# Altium PCB UCM R1.PcbDoc (part 2 of 2)
Units mm, origin at the board's own origin, x right, y up, seen from the top; angles counter-clockwise.
Board outline 92.33 x 59.27 mm, 4 copper layers (Top Layer, (GND), (PWR), Bottom Layer), stack 1.369 mm thick; 150 components, 87 nets, 457 pads, 182 vias.
Unrouted connection lines stored in the file: 20.
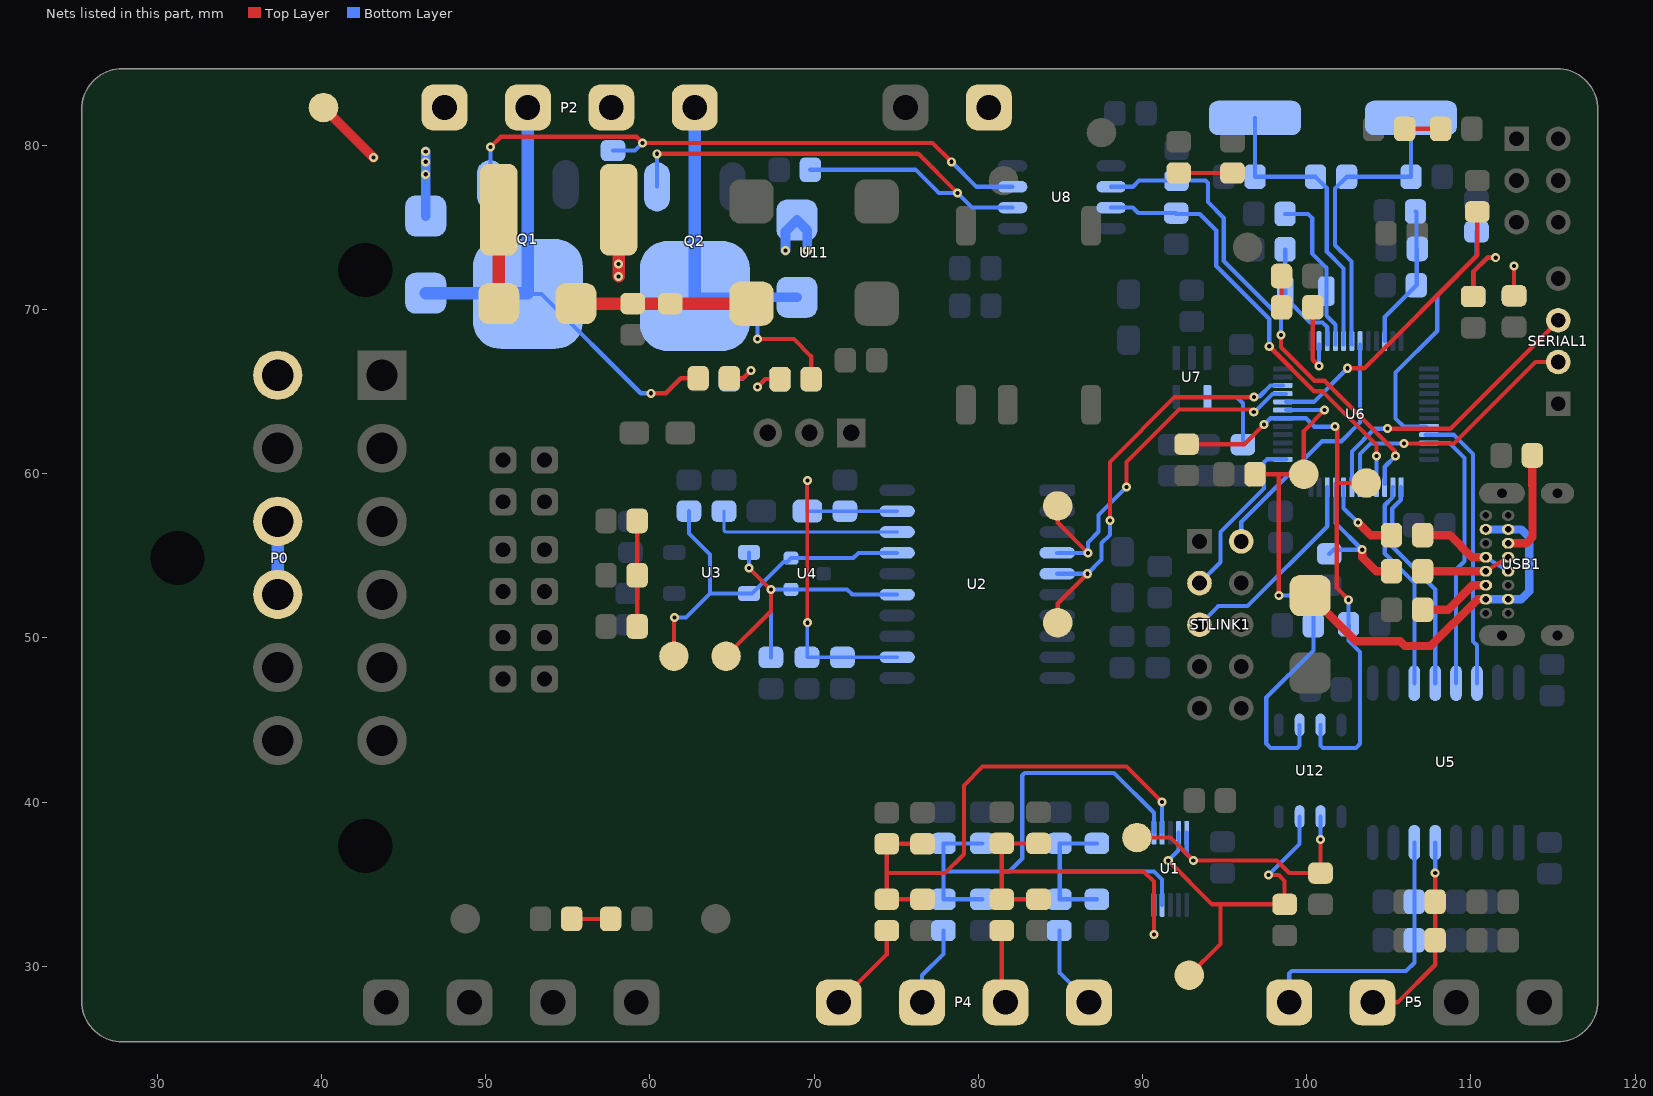
[diagram p4: the nets of this part, all layers, seen from the top]

## Via types
v1: diameter 0.55, hole 0.25, Top Layer to Bottom Layer, tented both sides, 182 vias

## Nets (pads, with @x,y where several pads share a name; then routed paths per layer and width w, separated by ;. In a path a pad name is that pad's centre, name@x,y a point inside that pad or via, vN(x,y) a via of type N, cw(c..) or ccw(c..) an arc to the next point about the centre after c; other vN are vias at no path point) (continued)
"Digital 3": P5.2 R6.1 R7.2 U5.5 | length 12.2
  Top Layer w0.254: P5.2@104.013,27.813 105.537,27.813 107.823,30.099 R6.1@107.823,31.597 R7.2@107.823,33.935 v1(107.823,35.687)
  Bottom Layer w0.254: v1(107.823,35.687) U5.5@107.823,37.542
"Digital 4": P5.1 R8.1 R9.2 U5.6 | length 17
  Bottom Layer w0.254: P5.1@98.933,27.813 98.933,29.569 99.082,29.718 106.045,29.718 106.553,30.226 R8.1@106.553,31.597 R9.2@106.553,33.935 U5.6@106.553,37.542
"Driver 1": D3.A D4.K P2.3 Q1.D | length 30.8
  Top Layer w0.254: v1(60.071,64.897) 60.97,64.897 61.885,65.812 D4.K@62.943,65.812
  Bottom Layer w0.254: Q1.D@52.533,70.992 Q1.D@52.578,70.992 ; Q1.D@52.578,70.947 53.397,70.947 59.447,64.897 v1(60.071,64.897)
  Bottom Layer w0.762: D3.A@46.355,70.992 Q1.D@52.533,70.992 ; Q1.D@52.578,70.992 P2.3@52.578,82.296
"Driver 2": D5.A D6.K P2.1 Q2.D | length 25.4
  Top Layer w0.254: v1(66.548,68.199) 68.776,68.199 69.826,67.149 D6.K@69.826,65.76
  Bottom Layer w0.254: v1(66.548,68.199) 66.548,70.743
  Bottom Layer w0.6: Q2.D@62.738,70.82 62.815,70.743 66.548,70.743 D5.A@68.961,70.743
  Bottom Layer w0.762: Q2.D@62.738,70.82 P2.1@62.738,82.296
GLV+: "Header 1x2.1" +.1 D3.K D5.K F1.1 P0.12 P2.2 P2.4 | length 16.6
  Top Layer w0.6: +.1@40.132,82.296 v1(43.18,79.248)
  Top Layer w0.762: v1(58.104,72.009) F1.1@58.104,76.073
  Bottom Layer w0.6: D3.K@46.355,75.692 v1(46.355,78.232) v1(46.355,78.994) v1(46.355,79.629) ; v1(68.263,73.582) 68.263,74.745 D5.K@68.961,75.443 69.586,74.818 v1(69.586,73.582)
  other v1: 58.104,72.771
GLV-: "Header 1x2.2" -.1 C34.1 C35.1 P0.11 Q1.S Q2.S R25.1 R28.1 U11.4 | length 40.8
  Top Layer w0.254: C35.1@58.954,68.458 v1(58.954,66.828) v1(59.615,66.167) ; v1(60.579,66.167) 60.96,66.548 v1(61.214,66.548) 61.214,68.432 C34.1@61.24,68.458 ; 75.565,82.296 77.089,82.296 -.1@81.534,77.851
  Top Layer w0.762: U11.4@66.189,76.578 66.192,76.581 68.995,76.581 v1(72.04,73.536) v1(73.13,73.536) ; v1@69.176,82.042 v1(69.185,82.033)
  Bottom Layer w0.762: v1(53.955,79.831) v1(54.863,79.831) ; v1(55.753,79.831) v1(54.863,79.831) ; R25.1@57.759,77.778 56.569,77.778 56.388,77.597 Q1.S@54.878,77.597 54.863,77.612 v1(54.863,79.831) ; Q2.S@65.038,77.47 65.038,80.278 66.802,82.042 v1(67.872,82.042) ; R28.1@67.872,78.512 v1(67.872,82.042) ; v1(70.497,82.022) 70.477,82.042 69.194,82.042 v1(69.185,82.033) 69.176,82.042 v1(67.872,82.042)
GLV-: 
"Green In": P0.9 P0.10 | length 4.4
  Bottom Layer w0.762: P0.9@37.342,52.649 P0.10@37.342,57.099
NetC4_2: C4.2 C5.2 C6.2 C7.2 U2.12 U2.19 | length 23.6
  Top Layer w0.203: v1(69.596,50.927) v1(69.596,59.594)
  Bottom Layer w0.203: v1(69.596,50.927) 69.596,48.843 C7.2@69.57,48.817 C6.2@71.729,48.817 71.741,48.829 U2.12@75.057,48.829 ; v1(69.596,59.594) C5.2@69.596,57.719 C4.2@71.882,57.719 U2.19@75.057,57.719
NetC10_2: "CAN TERM R1.1" "CAN TERM R2.2" C10.2 | length 6.4
  Top Layer w0.254: 59.231,50.699 C10.2@59.231,53.822 59.231,57.124
NetC13_2: "CANL TP1.1" C13.2 U2.15 U3.3 U4.1 | length 19.9
  Top Layer w0.254: 64.643,48.895 67.376,51.628 v1(67.376,52.942) ; v1(66.049,54.254) v1@67.348,52.955
  Bottom Layer w0.254: U3.3@66.04,55.205 66.04,54.263 v1(66.049,54.254) ; C13.2@67.376,48.817 v1(67.376,52.942) ; v1@67.378,52.957 68.594,52.957 U4.1@68.596,52.959 72.009,52.959 72.329,52.639 U2.15@75.057,52.639
NetC14_2: "CANH TP1.1" C14.2 U2.17 U3.4 U4.2 | length 23.1
  Top Layer w0.254: 61.468,48.895 61.48,48.907 61.48,51.226 v1(61.491,51.238)
  Bottom Layer w0.254: v1(61.491,51.238) 62.202,51.238 63.669,52.705 ; C14.2@62.383,57.719 62.383,56.362 63.669,55.076 63.669,52.705 ; U2.17@75.057,55.179 72.705,55.179 72.385,54.859 U4.2@68.596,54.859 68.368,54.631 68.138,54.631 66.212,52.705 63.669,52.705
"NetC17_U_Input Filter1_2": "C17_U_Input Filter1.2" "R10_U_Input Filter1.1" "R11_U_Input Filter1.2" "R12_U_Input Filter1.2" U1.7 | length 32.4
  Top Layer w0.254: 76.607,34.085 74.422,34.085 74.422,35.687 ; 76.607,37.465 74.422,37.465 74.422,35.687 ; v1(91.186,40.005) 89.027,42.164 80.264,42.164 79.121,41.021 79.121,36.83 77.978,35.687 74.422,35.687
  Bottom Layer w0.254: v1(91.186,40.005) 91.186,38.149 U1.7@91.194,38.141
"NetC17_U_Input Filter2_2": "C17_U_Input Filter2.2" "R10_U_Input Filter2.1" "R11_U_Input Filter2.2" "R12_U_Input Filter2.2" U1.6 | length 28.6
  Bottom Layer w0.254: 80.238,34.085 77.877,34.085 77.877,35.787 ; 80.238,37.489 77.877,37.489 77.877,35.787 ; U1.6@90.694,38.141 90.694,39.354 88.265,41.783 82.826,41.783 82.677,41.634 82.677,36.576 81.888,35.787 77.877,35.787
"NetC17_U_Input Filter3_2": "C17_U_Input Filter3.2" "R10_U_Input Filter3.1" "R11_U_Input Filter3.2" "R12_U_Input Filter3.2" U1.5 | length 22.4
  Top Layer w0.254: 83.667,34.085 81.433,34.085 81.433,35.787 ; 83.667,37.489 81.433,37.489 81.433,35.787 ; v1(90.694,31.934) 90.694,35.163 90.07,35.787 81.433,35.787
  Bottom Layer w0.254: v1(90.694,31.934) U1.5@90.694,33.741
"NetC17_U_Input Filter4_2": "C17_U_Input Filter4.2" "R10_U_Input Filter4.1" "R11_U_Input Filter4.2" "R12_U_Input Filter4.2" U1.4 | length 16
  Bottom Layer w0.254: 87.223,34.085 84.937,34.085 84.963,34.111 84.963,35.787 ; 87.223,37.489 84.937,37.489 84.963,37.463 84.963,35.787 ; U1.4@91.194,33.741 91.194,35.298 90.705,35.787 84.963,35.787
NetC28_2: C28.2 U7.4 | length 4.8
  Bottom Layer w0.254: U7.4@93.954,64.678 95.723,64.678 96.113,64.288 C28.2@96.113,61.771
NetC34_2: C34.2 C35.2 D7.K U11.1 | length 10.7
  Top Layer w0.762: D7.K@55.504,70.358 C35.2@58.954,70.358 C34.2@61.24,70.358 U11.1@66.189,70.358
"NetCAN RX INDC1_K": "CAN RX INDC1.K" R17.2 | length 3.6
  Top Layer w0.254: 112.623,70.836 v1(112.623,72.644)
  Bottom Layer w0.254: R17.2@112.623,70.836 v1(112.623,72.644)
"NetCAN TX INDC1_K": "CAN TX INDC1.K" R16.2 | length 6.5
  Top Layer w0.254: 110.135,70.788 110.135,72.289 110.998,73.152 v1(111.506,73.152)
  Bottom Layer w0.254: R16.2@110.135,70.788 110.135,72.289 110.998,73.152 v1(111.506,73.152)
NetD1_K: D1.K R14.2 | length 2.2
  Top Layer w0.254: R14.2@105.967,81 D1.K@108.155,81
NetD2_K: D2.K R15.2 | length 1.9
  Top Layer w0.254: R15.2@98.468,70.13 D2.K@98.468,72.035
NetD4_A: D4.A R23.1 | length 3.1
  Top Layer w0.254: D4.A@64.843,65.812 65.685,65.812 v1(66.167,66.294)
  Bottom Layer w0.254: R23.1@64.843,65.76 65.633,65.76 v1(66.167,66.294)
NetD6_A: D6.A R26.1 | length 3.2
  Top Layer w0.254: v1(66.548,65.278) 67.03,65.76 D6.A@67.926,65.76
  Bottom Layer w0.254: v1(66.548,65.278) 66.556,65.278 67.038,65.76 R26.1@67.926,65.76
NetD7_A: D7.A F1.2 | length 5.7
  Top Layer w0.762: D7.A@50.804,70.358 F1.2@50.804,76.073
NetD8_K: D8.K R29.2 | length 2.4
  Top Layer w0.254: R29.2@55.245,32.893 D8.K@57.614,32.893
NetD9_K: D9.K R30.2 | length 3.3
  Top Layer w0.254: D9.K@92.202,78.31 R30.2@95.478,78.31
NetD10_A: D10.A USB1.A4 USB1.A9 USB1.B4 USB1.B9 | length 22.1
  Top Layer w0.508: D10.A@100.203,52.574 102.972,49.805 105.679,49.805 105.975,49.509 107.548,49.509 110.393,52.354 110.906,52.354 USB1.A4@110.91,52.358
  Bottom Layer w0.508: USB1.A4@110.91,52.358 USB1.B9@112.26,52.358 113.064,52.358 113.538,52.832 113.538,56.134 113.064,56.608 USB1.B4@112.26,56.608 USB1.A9@110.91,56.608
NetQ1_G: Q1.G R25.2 U8.7 | length 37.6
  Top Layer w0.254: v1(50.292,79.883) 50.927,80.518 59.182,80.518 v1(59.563,80.137) 77.216,80.137 v1(78.359,78.994)
  Bottom Layer w0.254: Q1.G@50.292,77.611 50.345,77.664 50.292,77.717 v1(50.292,79.883) ; R25.2@57.759,79.678 59.104,79.678 v1(59.563,80.137) ; v1(78.359,78.994) 79.883,77.47 U8.7@82.09,77.47
NetQ2_G: Q2.G R28.2 U8.6 | length 34.5
  Top Layer w0.254: v1(60.446,79.481) 76.348,79.481 v1(78.74,77.089)
  Bottom Layer w0.254: Q2.G@60.442,77.494 60.442,79.477 v1(60.446,79.481) ; R28.2@69.772,78.512 76.174,78.512 77.597,77.089 v1(78.74,77.089) 79.629,76.2 U8.6@82.09,76.2
NetR1_2: R1.2 U2.18 | length 11.7
  Bottom Layer w0.203: R1.2@64.516,57.719 64.516,56.568 64.635,56.449 U2.18@75.057,56.449
NetR18_1: R18.1 U6.20 | length 15.4
  Bottom Layer w0.254: U6.20@107.247,62.877 105.906,62.877 105.41,63.373 105.41,66.167 107.95,68.707 107.95,70.866 110.337,73.253 R18.1@110.337,74.73
NetR19_1: "SCL ISO.1" R19.1 R33.1 U6.42 U12.3 | length 35.5
  Top Layer w0.254: R33.1@92.684,61.795 96.212,61.795 v1(97.409,62.992) ; v1(101.727,62.865) 101.854,62.738 101.854,59.436 ; v1(102.543,52.324) 101.83,53.037 101.83,59.412 101.854,59.436 ; 103.632,59.436 101.854,59.436
  Bottom Layer w0.254: v1(97.409,62.992) 97.794,63.377 98.747,63.377 99.945,63.377 100.457,62.865 v1(101.727,62.865) ; U12.3@100.838,44.704 100.838,43.456 100.987,43.307 102.997,43.307 103.247,43.557 103.247,49.153 102.556,49.844 102.556,50.813 R19.1@102.543,50.826 v1(102.543,52.324)
NetR20_1: "SDA ISO.1" R20.1 R34.1 U6.43 U12.2 | length 32.6
  Top Layer w0.254: R34.1@96.847,59.97 98.298,59.97 ; v1(98.298,52.578) 98.298,59.97 ; v1(101.085,63.874) 99.822,62.611 99.822,59.97 98.298,59.97
  Bottom Layer w0.254: v1(98.298,52.578) 99.988,52.578 100.403,52.163 R20.1@100.403,50.774 100.403,49.234 97.536,46.367 97.536,43.561 97.79,43.307 99.419,43.307 99.568,43.456 U12.2@99.568,44.704 ; U6.43@98.747,63.877 98.749,63.875 101.083,63.875 v1(101.085,63.874)
NetR21_2: R21.2 U6.44 | length 18
  Top Layer w0.254: v1(102.489,66.421) 103.505,66.421 110.384,73.3 R21.2@110.384,75.951
  Bottom Layer w0.254: U6.44@98.747,64.377 100.445,64.377 v1(102.489,66.421)
NetR24_2: R24.2 U6.27 U8.2 | length 29.8
  Top Layer w0.254: v1(98.425,68.453) 98.425,67.698 100.464,65.659 101.092,65.659 105.353,61.398 105.353,61.144 v1(105.41,61.087)
  Bottom Layer w0.254: U8.2@88.09,77.47 89.408,77.47 89.789,77.851 R24.2@92.075,77.851 93.831,77.851 93.98,77.702 93.98,76.547 94.947,75.58 94.947,72.947 98.425,69.469 v1(98.425,68.453) ; U6.27@104.747,59.377 104.747,60.424 v1(105.41,61.087)
NetR27_2: R27.2 U6.28 U8.3 | length 26.7
  Top Layer w0.254: v1(97.717,67.76) 100.458,65.018 100.971,65.018 104.247,61.742 v1(104.247,61.087)
  Bottom Layer w0.254: U8.3@88.09,76.2 89.408,76.2 89.74,75.868 R27.2@92.049,75.868 ; R27.2@92.049,75.819 93.487,75.819 94.49,74.816 94.49,72.642 97.717,69.415 v1(97.717,67.76) ; U6.28@104.247,59.377 v1(104.247,61.087)
NetR31_1: R31.1 SCL.1 U1.10 U12.6 | length 17.4
  Top Layer w0.254: SCL.1@89.662,37.846 91.694,37.846 v1(93.091,36.449) 98.171,36.449 98.933,35.687 R31.1@100.838,35.687 ; R31.1@100.838,35.682 R31.1@100.838,35.687 ; v1(100.838,37.719) R31.1@100.838,35.687
  Bottom Layer w0.254: U1.10@92.694,38.141 92.694,36.846 v1(93.091,36.449) ; v1(100.838,37.719) U12.6@100.838,39.116
NetR32_1: R32.1 SDA.1 U1.9 U12.7 | length 22.2
  Top Layer w0.254: v1(91.567,36.449) 94.234,33.782 94.361,33.782 94.742,33.782 ; SDA.1@92.837,29.464 94.742,31.369 94.742,33.782 ; v1(97.663,35.56) 98.298,35.56 98.653,35.205 R32.1@98.653,33.782 94.742,33.782
  Bottom Layer w0.254: v1(91.567,36.449) 92.194,37.076 U1.9@92.194,38.141 ; v1(97.663,35.56) 99.568,37.465 U12.7@99.568,39.116
NetR36_1: R36.1 USB1.A6 USB1.B6 | length 5.4
  Top Layer w0.254: USB1.A6@110.91,54.058 USB1.B6@112.26,54.908
  Top Layer w0.508: R36.1@107.061,54.058 USB1.A6@110.91,54.058
NetR37_1: R37.1 USB1.A7 USB1.B7 | length 6
  Top Layer w0.508: R37.1@107.061,56.261 108.712,56.261 110.065,54.908 USB1.A7@110.91,54.908
  Bottom Layer w0.254: USB1.A7@110.91,54.908 USB1.B7@112.26,54.058
NetR38_1: R38.1 USB1.A5 | length 4.5
  Top Layer w0.508: R38.1@107.061,51.715 108.611,51.715 110.104,53.208 USB1.A5@110.91,53.208
NetR39_1: R39.1 USB1.B5 | length 6.6
  Top Layer w0.508: USB1.B5@112.26,55.758 113.367,55.758 113.744,56.135 113.744,59.265 113.738,59.271 R39.1@113.738,61.113
NetRX_1: RX.1 U2.4 U6.45 | length 23.5
  Top Layer w0.254: RX.1@84.836,58.039 84.836,57.018 v1(86.675,55.179) ; v1(89.027,59.182) 89.027,60.706 92.223,63.902 96.626,63.902 v1(96.774,63.754)
  Bottom Layer w0.254: U2.4@84.811,55.179 v1(86.675,55.179) 86.675,55.814 87.325,56.464 87.325,57.484 89.024,59.182 v1(89.027,59.182) ; v1(96.774,63.754) 96.823,63.754 97.923,64.854 U6.45@98.724,64.854
NetTX_1: TX.1 U2.5 U6.46 | length 25.4
  Top Layer w0.254: TX.1@84.836,50.927 84.836,52.098 v1(86.647,53.909) ; v1(88.011,57.15) 88.011,60.721 91.95,64.66 v1(96.787,64.66)
  Bottom Layer w0.254: U2.5@84.811,53.909 v1(86.647,53.909) 87.503,54.765 87.503,55.771 88.011,56.279 v1(88.011,57.15) ; v1(96.787,64.66) 96.844,64.716 97.139,64.716 97.799,65.377 U6.46@98.547,65.377
NetU5_11: U5.11 U6.26 | length 12.9
  Bottom Layer w0.254: U6.26@105.247,59.177 105.224,59.154 105.224,58.553 104.749,58.078 104.749,55.144 106.553,53.34 U5.11@106.553,47.244
NetU5_12: U5.12 U6.25 | length 13.2
  Bottom Layer w0.254: U6.25@105.747,59.177 105.724,59.154 105.724,58.406 105.206,57.888 105.206,55.576 107.823,52.959 U5.12@107.823,47.244
NetU5_13: U5.13 U6.22 | length 16.7
  Bottom Layer w0.254: U6.22@107.247,61.877 108.684,61.877 109.601,60.96 109.601,54.668 109.093,54.16 U5.13@109.093,47.244
NetU5_14: U5.14 U6.21 | length 17.4
  Bottom Layer w0.254: U6.21@107.247,62.377 108.946,62.377 110.133,61.19 110.133,49.783 110.363,49.553 U5.14@110.363,47.244
NRST: STLINK1.2 U6.7 | length 15.7
  Bottom Layer w0.254: STLINK1.2@96.012,55.88 96.012,57.063 100.925,61.976 102.108,61.976 103.247,63.115 U6.7@103.247,67.877
PC13: R15.1 U6.2 | length 5
  Top Layer w0.254: R15.1@100.368,70.13 100.368,66.939 v1(100.747,66.56)
  Bottom Layer w0.254: v1(100.747,66.56) U6.2@100.747,67.877
"PCB TEMP": "PCB NTC1.2" C18.2 R13.1 U6.10 | length 8.7
  Bottom Layer w0.254: U6.10@104.747,68.077 104.747,69.551 R13.1@106.671,71.475 106.7,71.504 106.7,73.657 106.676,73.681 106.676,75.919 C18.2@106.623,75.972
"Sensor 1": "R11_U_Input Filter4.1" P4.4 | length 5.1
  Bottom Layer w0.254: 84.937,32.185 84.937,29.617 P4.4@86.741,27.813
"Sensor 2": "R11_U_Input Filter3.1" P4.3 | length 4.5
  Top Layer w0.254: 81.433,32.185 81.433,28.041 P4.3@81.661,27.813
"Sensor 3": "R11_U_Input Filter2.1" P4.2 | length 4.9
  Bottom Layer w0.254: P4.2@76.581,27.813 76.581,29.464 77.877,30.76 77.877,32.185
"Sensor 4": "R11_U_Input Filter1.1" P4.1 | length 5.6
  Top Layer w0.254: P4.1@71.501,27.813 74.422,30.734 74.422,32.185
SWCLK: STLINK1.3 U6.37 | length 10.4
  Bottom Layer w0.254: STLINK1.3@93.472,53.34 94.742,54.61 94.742,56.44 97.396,59.094 97.396,60.693 97.58,60.877 U6.37@98.747,60.877
SWDIO: STLINK1.5 U6.34 | length 12.6
  Bottom Layer w0.254: STLINK1.5@93.472,50.8 94.615,51.943 96.393,51.943 101.247,56.797 U6.34@101.247,59.177
"UART RX": SERIAL1.3 U6.31 | length 17.9
  Top Layer w0.254: v1(104.921,62.757) 104.941,62.738 108.762,62.738 115.316,69.292 SERIAL1.3@115.316,69.342
  Bottom Layer w0.254: U6.31@102.747,59.377 102.747,61.357 104.128,62.738 104.902,62.738 v1(104.921,62.757)
"UART TX": SERIAL1.2 U6.30 | length 16.2
  Top Layer w0.254: v1(105.918,61.849) 108.966,61.849 113.919,66.802 SERIAL1.2@115.316,66.802
  Bottom Layer w0.254: U6.30@103.247,59.377 103.247,61.21 103.886,61.849 v1(105.918,61.849)
USBDM: R37.2 U6.32 | length 5.1
  Top Layer w0.508: v1(103.124,57.023) 103.886,56.261 R37.2@105.161,56.261
  Bottom Layer w0.254: U6.32@102.247,59.377 102.247,57.9 v1(103.124,57.023)
USBDP: R35.1 R36.2 U6.33 | length 9.4
  Top Layer w0.508: v1(103.378,55.372) 103.378,54.92 104.24,54.058 R36.2@105.161,54.058
  Bottom Layer w0.254: R35.1@101.372,55.118 101.626,55.372 v1(103.378,55.372) 101.747,57.003 U6.33@101.747,59.377
XTALA: C29.2 R22.2 U6.5 X1.1 | length 18.2
  Bottom Layer w0.254: X1.1@96.85,81.661 C29.2@96.85,78.079 R22.2@100.535,78.079 101.219,77.395 101.219,73.533 102.247,72.505 U6.5@102.247,67.877
XTALB: C30.2 R22.1 U6.6 X1.2 | length 18.4
  Bottom Layer w0.254: U6.6@102.747,67.877 102.722,67.902 102.722,72.919 101.727,73.914 101.727,77.371 R22.1@102.435,78.079 C30.2@106.35,78.079 X1.2@106.35,81.661
XTALC: C19.2 U6.3 X2.1 | length 7.3
  Bottom Layer w0.254: C19.2@98.679,73.66 98.689,73.65 98.689,71.13 98.689,70.729 100.203,69.215 100.953,69.215 101.247,68.921 U6.3@101.247,67.877
XTALD: C20.2 U6.4 X2.2 | length 10
  Bottom Layer w0.254: C20.2@98.679,75.819 100.076,75.819 100.33,75.565 100.33,73.406 101.199,72.537 X2.2@101.199,71.12 101.199,69.616 101.747,69.068 U6.4@101.747,67.877
pads on no net: P0.0 P0.8 R23.2 R26.2 STLINK1.4 STLINK1.6 STLINK1.9 STLINK1.10 U1.2 U2.2 U2.14 U5.7 U6.11 U6.12 U6.13 U6.14 U6.15 U6.16 U6.17 U6.29 U6.38 U6.39 U6.40 U6.41 U10.8 USB1.A8 USB1.B8 USB1.P2 USB1.P3 USB1.P4
copper on no net: | length 308.3
  Top Layer w0.254: 25.4,27.9 ccw(c27.9,27.9) 27.9,25.4 115.229,25.4 ccw(c115.229,27.9) 117.729,27.9 117.729,82.169 ccw(c115.229,82.169) 115.229,84.669 27.9,84.669 ccw(c27.9,82.169) 25.4,82.169 25.4,27.9
  Bottom Layer w0.254: 62.943,65.76 v1(62.943,64.438) 69.631,64.438 69.826,64.633 69.826,65.76

## Polygon pours and split planes (outlines as drawn)
0V on Top Layer "0V_L01_P010" (solid, remove dead copper, pour order 10): 25.4,58.928 40.132,58.928 41.531,60.327 41.531,67.532 41.91,68.072 45.593,68.072 47.627,66.038 55.986,66.038 58.778,63.246 75.184,63.246 76.456,64.518 76.456,78.454 77.629,79.627 83.818,79.627 83.818,63.375 78.613,58.166 78.613,45.212 80.645,43.18 89.492,43.18 92.249,40.423 ccw(c92.322,40.496) 92.322,40.393 117.722,40.393 117.729,27.9 cw(c115.373,27.9) 117.039,26.234 116.895,26.09 cw(c115.229,27.756) 115.229,25.4 26.67,25.4 25.4,26.67
GLV- on Top Layer "GLV-_L01_P007" (solid, remove dead copper, pour order 7): 25.4,59.69 39.878,59.69 40.767,60.579 40.767,67.818 41.656,68.707 46.027,68.707 47.932,66.802 56.261,66.802 59.055,64.008 74.93,64.008 75.692,64.77 75.692,78.74 77.343,80.391 83.82,80.391 83.82,84.836 25.273,84.836 25.019,84.582 25.4,84.201
"0V (ISO)" on Top Layer "0V_(ISO)_L01_P003" (solid, remove dead copper, pour order 3): 85.852,84.709 116.332,84.709 117.729,83.312 117.729,42.418 93.091,42.418 90.424,45.085 81.661,45.085 80.518,46.228 80.518,57.15 85.852,62.484
0V on Bottom Layer "0V_L04_P009" (solid, remove dead copper, pour order 9): 25.4,58.928 40.132,58.928 41.531,60.327 41.531,67.532 41.943,67.945 45.72,67.945 47.627,66.038 55.986,66.038 58.778,63.246 75.184,63.246 76.454,64.516 76.454,78.486 76.487,78.486 77.629,79.627 83.818,79.627 83.818,63.375 78.613,58.166 78.613,45.212 80.645,43.18 89.535,43.18 92.322,40.393 117.722,40.393 117.73,26.671 116.459,25.4 26.67,25.4 25.4,26.67
GLV- on Bottom Layer "GLV-_L04_P008" (solid, remove dead copper, pour order 8): 25.4,59.69 25.527,59.817 25.527,83.005 25.744,83.529 26.49,84.275 27.231,84.582 83.82,84.582 83.82,80.391 77.216,80.391 75.692,78.867 75.692,64.77 74.93,64.008 59.055,64.008 56.261,66.802 47.932,66.802 46.027,68.707 41.623,68.707 40.767,67.851 40.767,60.579 39.878,59.69
"0V (ISO)" on Bottom Layer "0V_(ISO)_L04_P005" (solid, remove dead copper, pour order 5): 85.76,84.772 85.76,62.472 80.553,57.265 80.553,46.32 81.661,45.212 90.297,45.212 93.091,42.418 117.637,42.418 117.637,82.955 117.319,83.722 116.662,84.379 115.712,84.772
"5V (ISO)" on Bottom Layer "5V_(ISO)_L04_P004" (solid, remove dead copper, pour order 4): 92.329,66.795 91.162,66.826 90.551,67.454 90.551,70.993 92.242,72.684 93.305,72.684 94.869,71.12 94.869,67.183 94.481,66.795 93.726,66.795 93.726,68.072 94.107,68.453 94.107,69.977 93.853,70.231 92.075,70.231 91.821,69.977 91.821,68.707 92.329,68.199
"3.3V (ISO)" on Bottom Layer "3.3V_(ISO)_L04_P002" (solid, remove dead copper, pour order 2): 90.424,65.659 92.329,65.659 92.329,64.643 93.345,63.627 94.234,63.627 94.234,62.103 90.424,62.103
GLV- on (GND) (split plane): 27.9,84.159 83.818,84.159 83.818,80.393 77.47,80.393 77.395,80.385 77.323,80.364 77.257,80.328 77.199,80.281 75.802,78.884 75.755,78.826 75.719,78.76 75.698,78.688 75.69,78.613 75.69,64.802 74.898,64.01 59.087,64.01 57.421,65.676 56.405,66.692 56.347,66.739 56.281,66.775 56.209,66.796 56.134,66.804 47.911,66.804 46.118,68.597 46.06,68.644 45.994,68.68 45.922,68.701 45.847,68.709 41.783,68.709 41.708,68.701 41.636,68.68 41.57,68.644 41.512,68.597 40.877,67.962 40.83,67.904 40.794,67.838 40.773,67.766 40.765,67.691 40.765,60.611 39.846,59.692 25.91,59.692 25.91,82.169 25.909,82.185 25.918,82.364 25.946,82.558 25.994,82.747 26.06,82.931 26.143,83.108 26.244,83.276 26.36,83.433 26.492,83.577 26.636,83.709 26.793,83.825 26.961,83.926 27.138,84.009 27.322,84.075 27.511,84.123 27.705,84.151 27.884,84.16
0V on (GND) (split plane): 83.818,63.287 82.465,61.934 78.909,58.378 78.821,58.278 78.747,58.167 78.688,58.048 78.646,57.922 78.62,57.791 78.611,57.658 78.611,45.72 78.62,45.587 78.646,45.456 78.688,45.33 78.747,45.211 78.821,45.1 78.909,45 80.433,43.476 80.533,43.388 80.644,43.314 80.763,43.255 80.889,43.213 81.02,43.187 81.153,43.178 89.494,43.178 90.53,42.143 91.863,40.809 91.963,40.721 92.074,40.647 92.193,40.588 92.319,40.546 92.45,40.52 92.583,40.511 117.219,40.511 117.219,27.9 117.22,27.884 117.211,27.705 117.183,27.511 117.135,27.322 117.069,27.138 116.986,26.961 116.885,26.793 116.769,26.636 116.637,26.492 116.493,26.36 116.336,26.244 116.168,26.143 115.991,26.06 115.807,25.994 115.618,25.946 115.424,25.918 115.245,25.909 115.229,25.91 27.9,25.91 27.884,25.909 27.705,25.918 27.511,25.946 27.322,25.994 27.138,26.06 26.961,26.143 26.793,26.244 26.636,26.36 26.492,26.492 26.36,26.636 26.244,26.793 26.143,26.961 26.06,27.138 25.994,27.322 25.946,27.511 25.918,27.705 25.909,27.884 25.91,27.9 25.91,58.926 40.005,58.926 40.08,58.934 40.152,58.955 40.218,58.991 40.276,59.038 41.419,60.181 41.466,60.239 41.502,60.305 41.523,60.377 41.531,60.452 41.531,67.532 41.942,67.943 45.688,67.943 47.481,66.15 47.539,66.103 47.605,66.067 47.677,66.046 47.752,66.038 55.975,66.038 56.879,65.134 58.657,63.356 58.715,63.309 58.781,63.273 58.853,63.252 58.928,63.244 75.057,63.244 75.132,63.252 75.204,63.273 75.27,63.309 75.328,63.356 76.344,64.372 76.391,64.43 76.427,64.496 76.448,64.568 76.456,64.643 76.456,78.454 77.629,79.627 83.818,79.627
"0V (ISO)" on (GND) (split plane): 115.424,84.151 115.618,84.123 115.807,84.075 115.991,84.009 116.168,83.926 116.336,83.825 116.493,83.709 116.637,83.577 116.769,83.433 116.885,83.276 116.986,83.108 117.069,82.931 117.135,82.747 117.183,82.558 117.211,82.364 117.22,82.185 117.219,82.169 117.219,42.547 93.005,42.547 91.969,43.582 90.636,44.916 90.536,45.004 90.425,45.078 90.306,45.137 90.18,45.179 90.049,45.205 89.916,45.214 81.575,45.214 80.647,46.142 80.647,57.236 83.905,60.494 85.556,62.145 85.644,62.245 85.718,62.356 85.777,62.475 85.819,62.601 85.845,62.732 85.854,62.865 85.854,84.159 115.229,84.159 115.245,84.16
5V on (PWR) (split plane): 83.818,63.287 82.08,61.549 78.909,58.378 78.821,58.278 78.747,58.167 78.688,58.048 78.646,57.922 78.62,57.791 78.611,57.658 78.611,45.72 78.62,45.587 78.646,45.456 78.688,45.33 78.747,45.211 78.821,45.1 78.909,45 80.56,43.349 80.66,43.261 80.771,43.187 80.89,43.128 81.016,43.086 81.147,43.06 81.28,43.051 89.494,43.051 91.863,40.682 91.963,40.594 92.074,40.52 92.193,40.461 92.319,40.419 92.45,40.393 92.583,40.384 117.219,40.384 117.219,27.9 117.22,27.884 117.211,27.705 117.183,27.511 117.135,27.322 117.069,27.138 116.986,26.961 116.885,26.793 116.769,26.636 116.637,26.492 116.493,26.36 116.336,26.244 116.168,26.143 115.991,26.06 115.807,25.994 115.618,25.946 115.424,25.918 115.245,25.909 115.229,25.91 27.9,25.91 27.884,25.909 27.705,25.918 27.511,25.946 27.322,25.994 27.138,26.06 26.961,26.143 26.793,26.244 26.636,26.36 26.492,26.492 26.36,26.636 26.244,26.793 26.143,26.961 26.06,27.138 25.994,27.322 25.946,27.511 25.918,27.705 25.909,27.884 25.91,27.9 25.91,58.926 40.005,58.926 40.08,58.934 40.152,58.955 40.218,58.991 40.276,59.038 41.419,60.181 41.466,60.239 41.502,60.305 41.523,60.377 41.531,60.452 41.531,67.532 41.942,67.943 45.688,67.943 47.481,66.15 47.539,66.103 47.605,66.067 47.677,66.046 47.752,66.038 55.975,66.038 56.879,65.134 58.657,63.356 58.715,63.309 58.781,63.273 58.853,63.252 58.928,63.244 75.057,63.244 75.132,63.252 75.204,63.273 75.27,63.309 75.328,63.356 76.344,64.372 76.391,64.43 76.427,64.496 76.448,64.568 76.456,64.643 76.456,78.454 77.629,79.627 83.818,79.627
GLV+ on (PWR) (split plane): 27.9,84.159 83.818,84.159 83.818,80.393 77.47,80.393 77.395,80.385 77.323,80.364 77.257,80.328 77.199,80.281 75.802,78.884 75.755,78.826 75.719,78.76 75.698,78.688 75.69,78.613 75.69,64.802 74.898,64.01 59.087,64.01 57.421,65.676 56.405,66.692 56.347,66.739 56.281,66.775 56.209,66.796 56.134,66.804 47.911,66.804 46.118,68.597 46.06,68.644 45.994,68.68 45.922,68.701 45.847,68.709 41.783,68.709 41.708,68.701 41.636,68.68 41.57,68.644 41.512,68.597 40.877,67.962 40.83,67.904 40.794,67.838 40.773,67.766 40.765,67.691 40.765,60.611 39.846,59.692 25.91,59.692 25.91,82.169 25.909,82.185 25.918,82.364 25.946,82.558 25.994,82.747 26.06,82.931 26.143,83.108 26.244,83.276 26.36,83.433 26.492,83.577 26.636,83.709 26.793,83.825 26.961,83.926 27.138,84.009 27.322,84.075 27.511,84.123 27.705,84.151 27.884,84.16
"5V (ISO)" on (PWR) (split plane): 107.694,71.503 94.869,71.503 94.803,71.494 94.741,71.469 94.688,71.428 94.647,71.375 94.622,71.313 94.613,71.247 94.613,66.169 90.043,66.169 89.977,66.16 89.915,66.135 89.862,66.094 89.821,66.041 89.796,65.979 89.787,65.913 89.787,46.863 89.796,46.797 89.821,46.735 89.862,46.682 89.915,46.641 89.977,46.616 90.043,46.607 102.489,46.607 102.555,46.616 102.617,46.641 102.67,46.682 102.711,46.735 102.736,46.797 102.745,46.863 102.745,56.64 109.474,56.64 109.54,56.649 109.602,56.674 109.655,56.715 109.696,56.768 109.721,56.83 109.73,56.896 109.73,59.434 117.219,59.434 117.219,42.42 93.005,42.42 90.636,44.789 90.536,44.877 90.425,44.951 90.306,45.01 90.18,45.052 90.049,45.078 89.916,45.087 81.702,45.087 80.647,46.142 80.647,57.236 83.52,60.109 85.556,62.145 85.644,62.245 85.718,62.356 85.777,62.475 85.819,62.601 85.845,62.732 85.854,62.865 85.854,84.159 107.694,84.159
"3.3V (ISO)" on (PWR) (split plane): 115.424,84.151 115.618,84.123 115.807,84.075 115.991,84.009 116.168,83.926 116.336,83.825 116.493,83.709 116.637,83.577 116.769,83.433 116.885,83.276 116.986,83.108 117.069,82.931 117.135,82.747 117.183,82.558 117.211,82.364 117.22,82.185 117.219,82.169 117.219,59.946 109.474,59.946 109.408,59.937 109.346,59.912 109.293,59.871 109.252,59.818 109.227,59.756 109.218,59.69 109.218,57.152 102.489,57.152 102.423,57.143 102.361,57.118 102.308,57.077 102.267,57.024 102.242,56.962 102.233,56.896 102.233,47.119 90.299,47.119 90.299,65.657 94.869,65.657 94.935,65.666 94.997,65.691 95.05,65.732 95.091,65.785 95.116,65.847 95.125,65.913 95.125,70.991 107.95,70.991 108.016,71 108.078,71.025 108.131,71.066 108.172,71.119 108.197,71.181 108.206,71.247 108.206,84.159 115.229,84.159 115.245,84.16

## Other copper
Top Layer:
  drawing of 42 lines, arcs and shapes, not listed
  text "Team Swinburne" at 50.165,40.64 h3.05
  text "Team Swinburne" at 50.17,40.612 h3.05
  text "Formula SAE" at 61.341,39.243 h1.78
  text "Formula SAE" at 61.346,39.215 h1.78
Bottom Layer:
  drawing of 47 lines, arcs and shapes, not listed
(GND) (plane layer: these items are gaps in the copper):
  rectangle: 71.009,39.143 72.279,42.572
  rectangle: 71.009,39.143 72.279,42.572
  rectangle: 50.6,34.812 60.95,40.112
  lines w0.762: 25.146,59.309 40.005,59.309 41.148,60.452 41.148,67.691 41.783,68.326 45.847,68.326 47.752,66.421 50.419,66.421 56.134,66.421 57.15,65.405 58.928,63.627 75.057,63.627 76.073,64.643 76.073,78.613 77.47,80.01 84.963,80.01
  lines w2.032: 84.836,84.709 84.836,62.865 83.185,61.214 79.629,57.658 79.629,45.72 81.153,44.196 89.916,44.196 91.249,42.862 92.583,41.529 118.745,41.529
  text "Team Swinburne" at 50.165,40.64 h3.05
  text "Team Swinburne" at 50.165,40.64 h3.05
  text "Formula SAE" at 61.341,39.243 h1.78
  text "Formula SAE" at 61.341,39.243 h1.78
(PWR) (plane layer: these items are gaps in the copper):
  drawing of 73 lines, arcs and shapes, not listed

## Silkscreen, mask and mechanical layers (free items; w line width, h text height)
Top Overlay:
  drawing of 20 lines, arcs and shapes, not listed
  text "3.3V" at 107.95,82.804 h0.76
  text "5V ISO" at 90.424,81.661 h0.76
  text "+ -" at 80.137,80.645 h1.52 r180
  text "+     D1     +     D2" at 47.39,79.248 h0.76
  text "PC13" at 98.044,68.072 h0.76
  text "D2" at 68.453,67.31 h0.76
  text "D1" at 63.627,67.183 h0.76
  text "RX" at 112.014,66.929 h0.76
  text "TX" at 109.474,66.802 h0.76
  text "CAN L" at 56.388,58.42 h0.76
  text "CAN S" at 56.388,55.118 h0.76
  text "CAN H" at 56.388,51.816 h0.76
  text "Terminations" at 60.96,51.054 h0.51 r90
  text "CAN H" at 62.611,50.673 h0.76
  text "CAN L" at 59.436,46.482 h0.76
  text "Team Swinburne" at 50.22,40.621 h3.05
  text "Formula SAE" at 61.396,39.224 h1.78
  text "Universal Control Module R1" at 61.341,38.327 h1.02
  text "--->" at 78.486,38.1 h1.52 r270
  text "--->" at 84.836,38.1 h1.52 r270
  text "--->" at 102.108,37.719 h1.52 r270
  text "--->" at 113.284,37.592 h1.52 r270
  text "30/03/2020 - P.M.C & B.J.M" at 61.341,37.338 h1.02
  text "Digital Inputs" at 103.505,36.195 h0.76
  text "Sensors" at 79.883,35.56 h0.76
Drill Drawing:
  circle w0.254: c7.444,139.277 r0.508
  circle w0.254: c7.444,139.277 r0.847
  circle w0.254: c7.444,112.607 r0.847
  lines w0.254: 6.597,108.373 7.021,108.373 7.021,107.95 7.867,107.95 7.867,108.373 8.291,108.373 8.291,109.22 7.867,109.22 7.867,109.643 7.021,109.643 7.021,109.22 6.597,109.22 6.597,108.373 ; 6.597,115.993 7.021,115.993 7.444,115.57 7.867,115.993 8.291,115.993 7.867,116.417 8.291,116.84 7.867,116.84 7.444,117.263 7.021,116.84 6.597,116.84 7.021,116.417 6.597,115.993 ; 6.597,120.227 7.444,119.38 8.291,120.227 7.444,121.073 6.597,120.227 ; 6.597,124.883 8.291,124.883 7.444,123.19 6.597,124.883 ; 6.597,127.423 7.021,127.423 7.444,127 7.867,127.423 8.291,127.423 7.867,127.847 8.291,128.27 7.867,128.27 7.444,128.693 7.021,128.27 6.597,128.27 7.021,127.847 6.597,127.423 ; 6.597,130.81 8.291,130.81 8.291,132.503 6.597,132.503 6.597,130.81 ; 6.597,134.62 8.291,134.62 8.291,136.313 6.597,136.313 6.597,134.62 ; 6.597,143.933 8.291,143.933 7.444,142.24 6.597,143.933 ; 6.936,116.163 7.19,116.163 7.444,115.909 7.698,116.163 7.952,116.163 7.698,116.417 7.952,116.671 7.698,116.671 7.444,116.925 7.19,116.671 6.936,116.671 7.19,116.417 6.936,116.163 ; 6.936,134.959 7.952,134.959 7.952,135.975 6.936,135.975 6.936,134.959 ; 6.936,143.595 7.952,143.595 7.444,142.579 6.936,143.595
  lines w0.381: 5.079,106.807 358.953,106.807 ; 5.079,144.907 358.953,144.907 ; 19.071,102.997 19.071,148.717 ; 34.307,102.997 34.307,148.717 ; 63.508,102.997 63.508,148.717 ; 76.357,102.997 76.357,148.717 ; 94.996,102.997 94.996,148.717 ; 133.085,102.997 133.085,148.717 ; 148.067,102.997 148.067,148.717 ; 175.745,102.997 175.745,148.717 ; 206.216,102.997 206.216,148.717 ; 227.901,102.997 227.901,148.717 ; 261.775,102.997 261.775,148.717 ; 295.649,102.997 295.649,148.717 ; 323.327,102.997 323.327,148.717 ; 5.079,102.997 358.953,102.997 358.953,148.717 5.079,148.717 5.079,102.997
  text "Symbol" at 7.365,146.05 h1.83
  text "Count" at 20.214,146.05 h1.83
  text "Hole Size" at 35.45,146.05 h1.83
  text "Plated" at 64.651,146.05 h1.83
  text "Hole Type" at 77.5,146.05 h1.83
  text "Drill Layer Pair" at 96.139,146.05 h1.83
  text "Via/Pad" at 134.228,146.05 h1.83
  text "Pad Shape" at 149.21,146.05 h1.83
  text "Template" at 176.888,146.05 h1.83
  text "Description" at 207.359,146.05 h1.83
  text "Hole Tolerance (+)" at 229.044,146.05 h1.83
  text "Hole Tolerance (-)" at 262.918,146.05 h1.83
  text "Hole Length" at 296.792,146.05 h1.83
  text "Routed Path Length" at 324.47,146.05 h1.83
  text "1" at 20.214,142.24 h1.52
  text "20.00mil (0.508mm)" at 35.45,142.24 h1.52
  text "PTH" at 64.651,142.24 h1.52
  text "Round" at 77.5,142.24 h1.52
  text "Top Layer - Bottom Layer" at 96.139,142.24 h1.52
  text "Via" at 134.228,142.24 h1.52
  text "Rounded" at 149.21,142.24 h1.52
  text "v76h51" at 176.888,142.24 h1.52
  text "-" at 296.792,142.24 h1.52
  text "-" at 324.47,142.24 h1.52
  text "2" at 20.214,138.43 h1.52
  text "23.62mil (0.600mm)" at 35.45,138.43 h1.52
  text "PTH" at 64.651,138.43 h1.52
  text "Slot" at 77.5,138.43 h1.52
  text "Top Layer - Bottom Layer" at 96.139,138.43 h1.52
  text "Pad" at 134.228,138.43 h1.52
  text "Rounded" at 149.21,138.43 h1.52
  text "r203_127h60_140r100" at 176.888,138.43 h1.52
  text "55.12mil (1.400mm)" at 296.792,138.43 h1.52
  text "31.50mil (0.800mm)" at 324.47,138.43 h1.52
  text "2" at 20.214,134.62 h1.52
  text "23.62mil (0.600mm)" at 35.45,134.62 h1.52
  text "PTH" at 64.651,134.62 h1.52
  text "Slot" at 77.5,134.62 h1.52
  text "Top Layer - Bottom Layer" at 96.139,134.62 h1.52
  text "Pad" at 134.228,134.62 h1.52
  text "Rounded" at 149.21,134.62 h1.52
  text "r279_127h60_210r100" at 176.888,134.62 h1.52
  text "82.68mil (2.100mm)" at 296.792,134.62 h1.52
  text "59.06mil (1.500mm)" at 324.47,134.62 h1.52
  text "3" at 20.214,130.81 h1.52
  text "39.37mil (1.000mm)" at 35.45,130.81 h1.52
  text "PTH" at 64.651,130.81 h1.52
  text "Round" at 77.5,130.81 h1.52
  text "Top Layer - Bottom Layer" at 96.139,130.81 h1.52
  text "Pad" at 134.228,130.81 h1.52
  text "(Mixed)" at 149.21,130.81 h1.52
  text "(Mixed)" at 176.888,130.81 h1.52
  text "-" at 296.792,130.81 h1.52
  text "-" at 324.47,130.81 h1.52
  text "3" at 20.214,127 h1.52
  text "129.92mil (3.300mm)" at 35.45,127 h1.52
  text "NPTH" at 64.651,127 h1.52
  text "Round" at 77.5,127 h1.52
  text "Top Layer - Bottom Layer" at 96.139,127 h1.52
  text "Pad" at 134.228,127 h1.52
  text "Rounded" at 149.21,127 h1.52
  text "c300hn330" at 176.888,127 h1.52
  text "-" at 296.792,127 h1.52
  text "-" at 324.47,127 h1.52
  text "12" at 20.214,123.19 h1.52
  text "74.80mil (1.900mm)" at 35.45,123.19 h1.52
  text "PTH" at 64.651,123.19 h1.52
  text "Round" at 77.5,123.19 h1.52
  text "Top Layer - Bottom Layer" at 96.139,123.19 h1.52
  text "Pad" at 134.228,123.19 h1.52
  text "(Mixed)" at 149.21,123.19 h1.52
  text "(Mixed)" at 176.888,123.19 h1.52
  text "-" at 296.792,123.19 h1.52
  text "-" at 324.47,123.19 h1.52
  text "16" at 20.214,119.38 h1.52
  text "15.75mil (0.400mm)" at 35.45,119.38 h1.52
  text "PTH" at 64.651,119.38 h1.52
  text "Round" at 77.5,119.38 h1.52
  text "Top Layer - Bottom Layer" at 96.139,119.38 h1.52
  text "Pad" at 134.228,119.38 h1.52
  text "Rounded" at 149.21,119.38 h1.52
  text "r65_76h40r100" at 176.888,119.38 h1.52
  text "-" at 296.792,119.38 h1.52
  text "-" at 324.47,119.38 h1.52
  text "18" at 20.214,115.57 h1.52
  text "59.06mil (1.500mm)" at 35.45,115.57 h1.52
  text "PTH" at 64.651,115.57 h1.52
  text "Round" at 77.5,115.57 h1.52
  text "Top Layer - Bottom Layer" at 96.139,115.57 h1.52
  text "Pad" at 134.228,115.57 h1.52
  text "Rounded Rectangle" at 149.21,115.57 h1.52
  text "s279h150r50" at 176.888,115.57 h1.52
  text "-" at 296.792,115.57 h1.52
  text "-" at 324.47,115.57 h1.52
  text "32" at 20.214,111.76 h1.52
  text "35.43mil (0.900mm)" at 35.45,111.76 h1.52
  text "PTH" at 64.651,111.76 h1.52
  text "Round" at 77.5,111.76 h1.52
  text "Top Layer - Bottom Layer" at 96.139,111.76 h1.52
  text "Pad" at 134.228,111.76 h1.52
  text "(Mixed)" at 149.21,111.76 h1.52
  text "(Mixed)" at 176.888,111.76 h1.52
  text "-" at 296.792,111.76 h1.52
  text "-" at 324.47,111.76 h1.52
  text "180" at 20.214,107.95 h1.52
  text "9.84mil (0.250mm)" at 35.45,107.95 h1.52
  text "PTH" at 64.651,107.95 h1.52
  text "Round" at 77.5,107.95 h1.52
  text "Top Layer - Bottom Layer" at 96.139,107.95 h1.52
  text "Via" at 134.228,107.95 h1.52
  text "Rounded" at 149.21,107.95 h1.52
  text "v55h25" at 176.888,107.95 h1.52
  text "-" at 296.792,107.95 h1.52
  text "-" at 324.47,107.95 h1.52
  text "269 Total" at 20.214,104.14 h1.52
  text "Slot definitions :" at 7.365,100.457 h1.52
  text "Routed Path Length" at 33.595,100.457 h1.52
  text "= Calculated from tool start centre position to tool end centre position." at 61.603,100.457 h1.52
  text "Hole Length" at 33.595,97.918 h1.52
  text "= Routed Path Length + Tool Size = Slot length as defined in the PCB layout" at 51.192,97.918 h1.52
  text "FABRICATION NOTES" at 124.791,80.906 h3
  text "1. QUANTITY: 5" at 124.791,75.81 h3
  text "2. SIZE:" at 124.791,70.713 h3
  text "3. LAYERS: 4" at 124.791,65.617 h3
  text "4. SIGNAL LAYERS: 1,4" at 124.791,61.52 h3
  text "a) WEIGHT: 1oz" at 129.791,55.424 h3
  text "5. SOLDER MASKS: Blue" at 124.791,49.135 h3
  text "6. SILKSCREEN: White" at 124.791,44.038 h3
  text "7. SURFACE FINISH: HASL (With Lead)" at 124.791,38.942 h3
  text "8. FINISHED COPPER: 2oz Cu" at 124.791,33.846 h3
  text "9. TOTAL THICKNESS: 1.6mm" at 124.791,28.749 h3
  text "CHECK CUTOUT ARE ROUTED CORRECTED (DEFINED ON KEEPOUT LAYER)" at 124.182,11.434 h3